# Altium PCB PCBrm.PcbDoc (part 1 of 7)
Units mm, origin at the board's own origin, x right, y up, seen from the top; angles counter-clockwise.
Board outline 220.73 x 137.67 mm, 2 copper layers (Top Layer, Bottom Layer); 138 components, 115 nets, 746 pads, 210 vias.
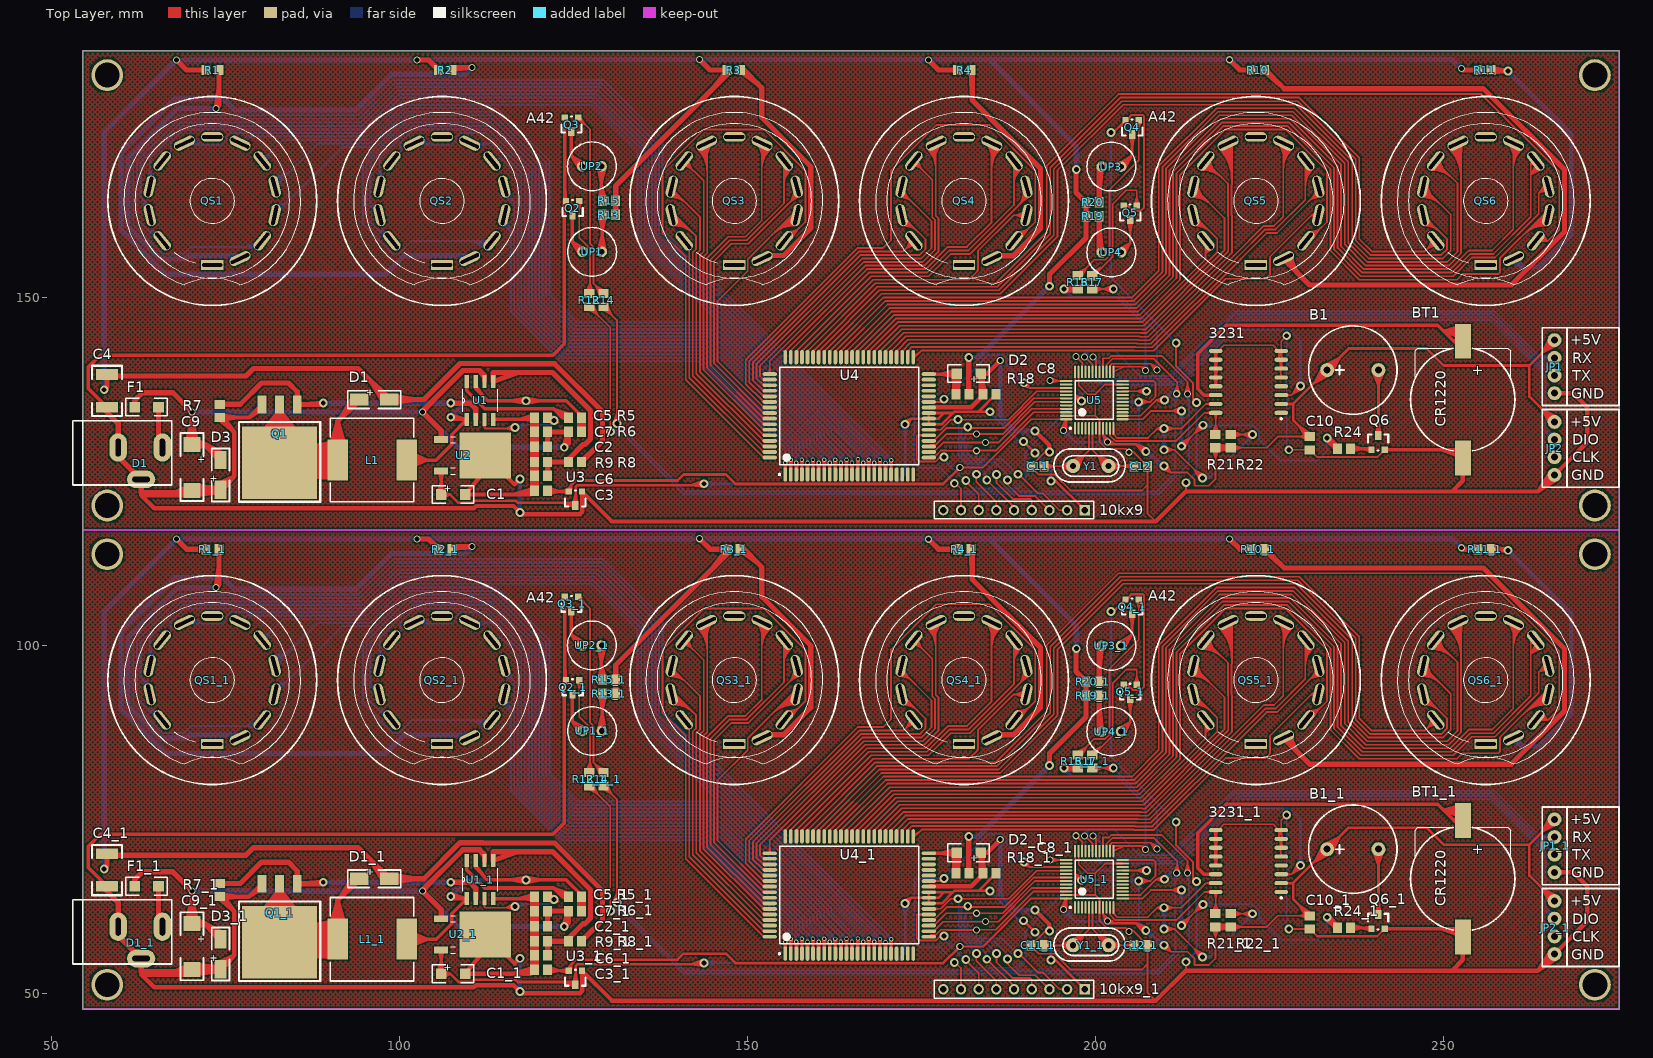
[diagram p0: Top Layer view]
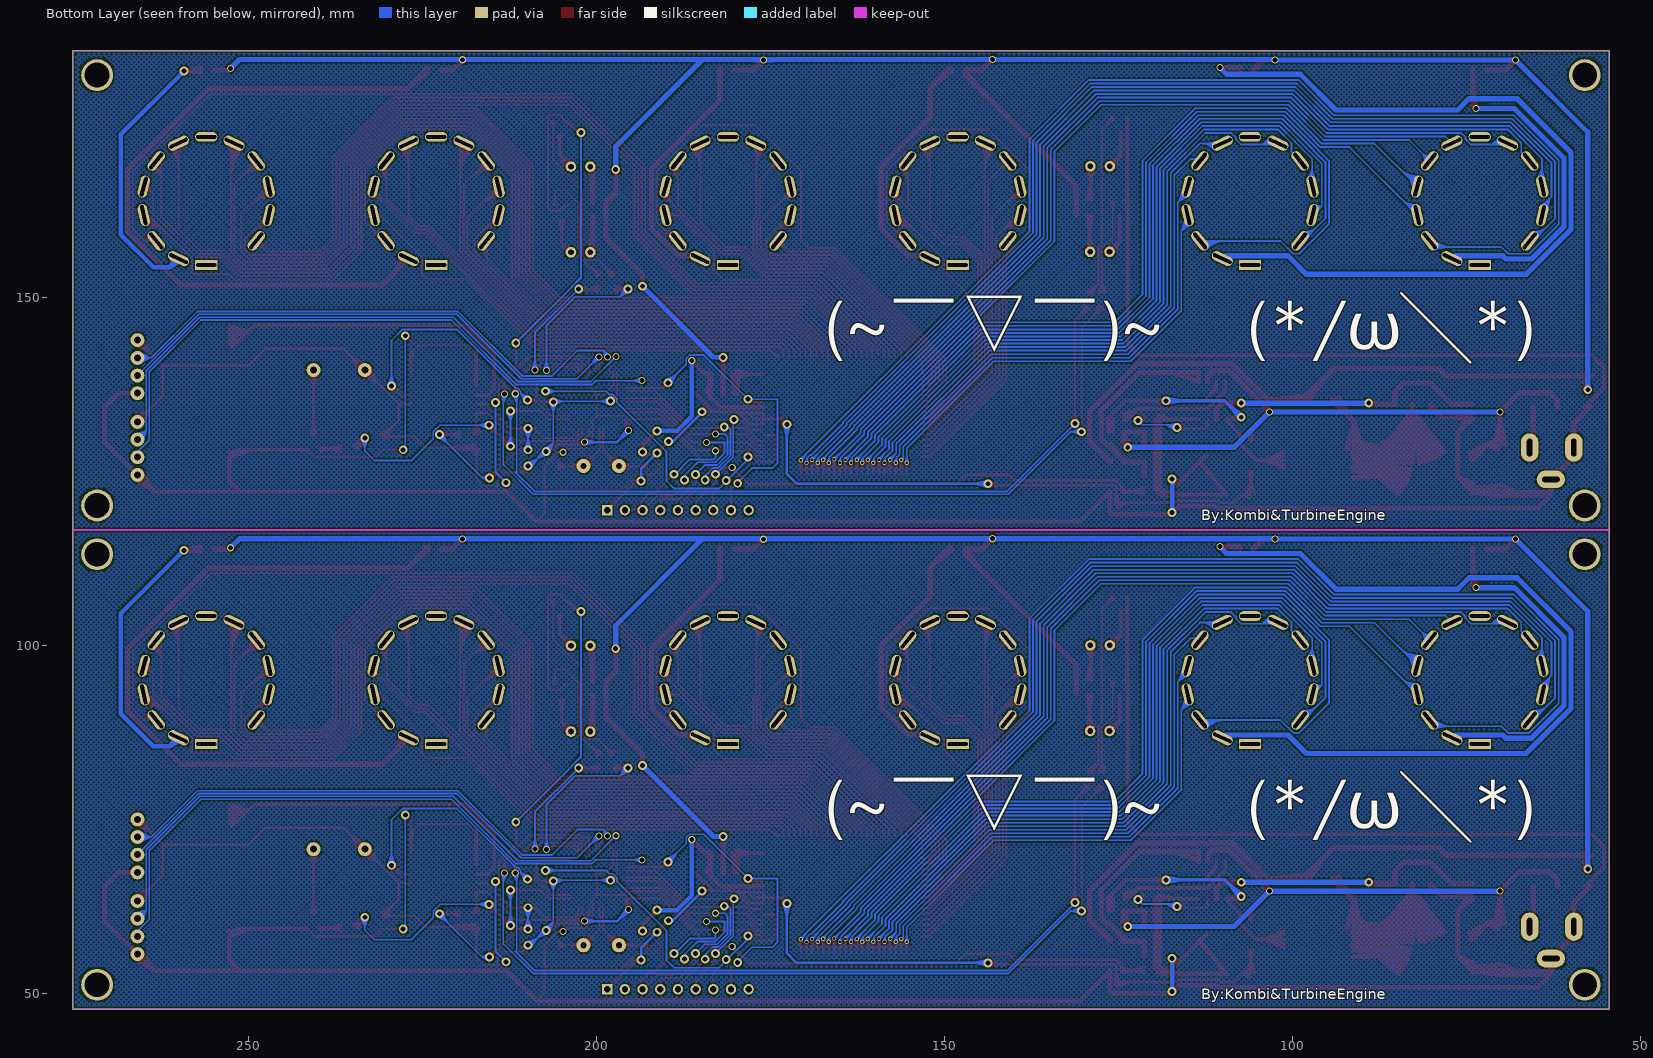
[diagram p1: Bottom Layer view, seen from below]

## Layer stack, top to bottom
Top Layer: signal copper 0.0356
Dielectric: dielectric 0.32, FR-4, Dk 4.8
Bottom Layer: signal copper 0.0356

## Board outline
54.483,185.456 54.483,47.788 275.209,47.788 275.209,185.456

## Design rules (kind name [scope] priority, off if disabled: settings)
Clearance [All] p1: gap=0.152
HoleSize [All] p1: absolutevalues=TRUE maxlimit=6.3 minlimit=0.3 maxpercent=80.000 minpercent=20.000
HoleToHoleClearance [All] p1: gap=0.152 allowstackedmicrovias=TRUE
MinimumSolderMaskSliver [All] p1: minsoldermaskwidth=0.152
PolygonConnect [All] p1: connectstyle=Relief reliefconductorwidth=0.254 reliefentries=4 polygonreliefangle="90 Angle" airgapwidth=0.254
RoutingVias [All] p1: holewidth=0.508 width=1 viastyle="Through Hole" minholewidth=0.3 minwidth=0.7 maxholewidth=6.3 maxwidth=1.7
SilkToSilkClearance [All] p1: silktosilkclearance=0.025
SolderMaskExpansion [All] p1: expansion=0.102
Width [All] p1: maxlimit=0.762 minlimit=0.152 preferedwidth=0.203
24 further rules are at their usual default settings.

## Classes and differential pairs
component class SCH: 10kx9 3231 B1 BT1 C1 C2 C3 C4 C5 C6 C7 C8 C9 C10 C11 C12 D1 D2 D3 F1 JP1 JP2 L1 Q1 Q2 Q3 Q4 Q5 Q6 QS1 QS2 QS3 QS4 QS5 QS6 R1 R2 R3 R4 R5 R6 R7 R8 R9 R10 R11 R12 R13 R14 R15 R16 R17 R18 R19 R20 R21 R22 R24 U1 U2 U3 U4 U5 UP1 UP2 UP3 UP4 Y1

## Components (designator, comment, footprint, x,y, rotation, side; value= is the part's Value field where it differs from the comment)
10kx9 "Header 9" HDR1X9 198.425,119.456 r180 top
10kx9_1 "Header 9" HDR1X9 198.425,50.622 r180 top (schematic designator 10kx9)
3231 "DS3231" SOP127P1030X267_HS-17N 221.945,137.881 r180 top
3231_1 "DS3231" SOP127P1030X267_HS-17N 221.945,69.047 r180 top (schematic designator 3231)
B1 "BEEP" BEEP 233.121,139.583 r0 top
B1_1 "BEEP" BEEP 233.121,70.749 r0 top (schematic designator B1)
BT1 "CR1220" cr1220 252.73,135.341 r90 top
BT1_1 "CR1220" cr1220 252.73,66.507 r90 top (schematic designator BT1)
C1 "Cap Pol1" 1206_Diode 105.969,121.702 r0 top
C1_1 "Cap Pol1" 1206_Diode 105.969,52.868 r0 top (schematic designator C1)
C2 "Cap" 0805 120.294,128.534 r0 top
C2_1 "Cap" 0805 120.294,59.7 r0 top (schematic designator C2)
C3 "Cap" 0805 120.32,122.235 r0 top
C3_1 "Cap" 0805 120.32,53.401 r0 top (schematic designator C3)
C4 "Cap Pol3" 1812 57.963,138.938 r270 top
C4_1 "Cap Pol3" 1812 57.963,70.104 r270 top (schematic designator C4)
C5 "Cap" 0805 120.31,132.751 r0 top
C5_1 "Cap" 0805 120.31,63.917 r0 top (schematic designator C5)
C6 "Cap" 0805 120.32,124.369 r0 top
C6_1 "Cap" 0805 120.32,55.535 r0 top (schematic designator C6)
C7 "Cap" 0805 120.31,130.693 r0 top
C7_1 "Cap" 0805 120.31,61.859 r0 top (schematic designator C7)
C8 "Cap" 0805 184.734,136.129 r0 top
C8_1 "Cap" 0805 184.734,67.295 r0 top (schematic designator C8)
C9 "Cap Pol1" 7343 70.18,128.89 r270 top
C9_1 "Cap Pol1" 7343 70.18,60.056 r270 top (schematic designator C9)
C10 "Cap" 0805 230.759,129.068 r90 top
C10_1 "Cap" 0805 230.759,60.234 r90 top (schematic designator C10)
C11 "Cap" 0805 191.643,125.766 r0 top
C11_1 "Cap" 0805 191.643,56.932 r0 top (schematic designator C11)
C12 "Cap" 0805 206.477,125.791 r180 top
C12_1 "Cap" 0805 206.477,56.957 r180 top (schematic designator C12)
D1 "DC座" DC座 62.357,125.654 r0 top
D1 "FR107" DO-214AC 94.183,135.341 r0 top
D1_1 "FR107" DO-214AC 94.183,66.507 r0 top (schematic designator D1)
D1_1 "DC座" DC座 62.357,56.82 r0 top (schematic designator D1)
D2 "75V/0.5W" 1206_Diode 183.464,139.075 r180 top
D2_1 "75V/0.5W" 1206_Diode 183.464,70.241 r180 top (schematic designator D2)
D3 "1N4007" DO-214AC 74.27,122.362 r90 top
D3_1 "1N4007" DO-214AC 74.27,53.528 r90 top (schematic designator D3)
F1 "1A" 1206 65.354,134.264 r180 top
F1_1 "1A" 1206 65.354,65.43 r180 top (schematic designator F1)
JP1 "Header4" HEADER4 265.913,143.876 r270 top
JP1_1 "Header4" HEADER4 265.913,75.042 r270 top (schematic designator JP1)
JP2 "Header4" HEADER4 265.913,132.141 r270 top
JP2_1 "Header4" HEADER4 265.913,63.307 r270 top (schematic designator JP2)
L1 "330uH" 330uH 91.11,126.655 r0 top
L1_1 "330uH" 330uH 91.11,57.821 r0 top (schematic designator L1)
Q1 "IRF630" TO-263 85.293,134.63 r180 top
Q1_1 "IRF630" TO-263 85.293,65.796 r180 top (schematic designator Q1)
Q2 "A42" SOT-23-BJT 124.841,162.85 r180 top
Q2_1 "A42" SOT-23-BJT 124.841,94.016 r180 top (schematic designator Q2)
Q3 "A42" SOT-23-BJT 124.689,174.838 r180 top
Q3_1 "A42" SOT-23-BJT 124.689,106.004 r180 top (schematic designator Q3)
Q4 "A42" SOT-23-BJT 205.232,174.432 r180 top
Q4_1 "A42" SOT-23-BJT 205.232,105.598 r180 top (schematic designator Q4)
Q5 "A42" SOT-23-BJT 204.953,162.215 r180 top
Q5_1 "A42" SOT-23-BJT 204.953,93.381 r180 top (schematic designator Q5)
Q6 "9014" SOT-23-BJT 240.563,129.169 r0 top
Q6_1 "9014" SOT-23-BJT 240.563,60.335 r0 top (schematic designator Q6)
QS1 "QS30-1" QS30-1 73.076,163.881 r0 top
QS1_1 "QS30-1" QS30-1 73.076,95.047 r0 top (schematic designator QS1)
QS2 "QS30-1" QS30-1 106.076,163.881 r0 top
QS2_1 "QS30-1" QS30-1 106.076,95.047 r0 top (schematic designator QS2)
QS3 "QS30-1" QS30-1 148.076,163.881 r0 top
QS3_1 "QS30-1" QS30-1 148.076,95.047 r0 top (schematic designator QS3)
QS4 "QS30-1" QS30-1 181.077,163.881 r0 top
QS4_1 "QS30-1" QS30-1 181.077,95.047 r0 top (schematic designator QS4)
QS5 "QS30-1" QS30-1 223.006,163.881 r0 top
QS5_1 "QS30-1" QS30-1 223.006,95.047 r0 top (schematic designator QS5)
QS6 "QS30-1" QS30-1 256.026,163.881 r0 top
QS6_1 "QS30-1" QS30-1 256.026,95.047 r0 top (schematic designator QS6)
R1 "Res2" 0805 73.101,182.687 r180 top
R1_1 "Res2" 0805 73.101,113.853 r180 top (schematic designator R1)
R2 "Res2" 0805 106.553,182.687 r180 top
R2_1 "Res2" 0805 106.553,113.853 r180 top (schematic designator R2)
R3 "Res2" 0805 147.98,182.687 r180 top
R3_1 "Res2" 0805 147.98,113.853 r180 top (schematic designator R3)
R4 "Res2" 0805 181.127,182.687 r180 top
R4_1 "Res2" 0805 181.127,113.853 r180 top (schematic designator R4)
R5 "Res2" 0805 125.186,132.751 r180 top
R5_1 "Res2" 0805 125.186,63.917 r180 top (schematic designator R5)
R6 "Res2" 0805 125.186,130.693 r180 top
R6_1 "Res2" 0805 125.186,61.859 r180 top (schematic designator R6)
R7 "Res2" 0805 74.143,133.716 r90 top
R7_1 "Res2" 0805 74.143,64.882 r90 top (schematic designator R7)
R8 "Res2" 0805 125.186,126.375 r180 top
R8_1 "Res2" 0805 125.186,57.541 r180 top (schematic designator R8)
R9 "Res2" 0805 120.31,126.375 r0 top
R9_1 "Res2" 0805 120.31,57.541 r0 top (schematic designator R9)
R10 "Res2" 0805 223.266,182.687 r180 top
R10_1 "Res2" 0805 223.266,113.853 r180 top (schematic designator R10)
R11 "Res2" 0805 255.854,182.687 r180 top
R11_1 "Res2" 0805 255.854,113.853 r180 top (schematic designator R11)
R12 "Res2" 0805 127.254,149.642 r90 top
R12_1 "Res2" 0805 127.254,80.808 r90 top (schematic designator R12)
R13 "Res2" 0805 130.073,161.884 r180 top
R13_1 "Res2" 0805 130.073,93.05 r180 top (schematic designator R13)
R14 "Res2" 0805 129.286,149.642 r90 top
R14_1 "Res2" 0805 129.286,80.808 r90 top (schematic designator R14)
R15 "Res2" 0805 130.073,163.916 r180 top
R15_1 "Res2" 0805 130.073,95.082 r180 top (schematic designator R15)
R16 "Res2" 0805 197.409,152.197 r90 top
R16_1 "Res2" 0805 197.409,83.363 r90 top (schematic designator R16)
R17 "Res2" 0805 199.492,152.182 r90 top
R17_1 "Res2" 0805 199.492,83.348 r90 top (schematic designator R17)
R18 "Res2" 0805 180.848,136.129 r0 top
R18_1 "Res2" 0805 180.848,67.295 r0 top (schematic designator R18)
R19 "Res2" 0805 199.542,161.656 r0 top
R19_1 "Res2" 0805 199.542,92.822 r0 top (schematic designator R19)
R20 "Res2" 0805 199.542,163.662 r0 top
R20_1 "Res2" 0805 199.542,94.828 r0 top (schematic designator R20)
R21 "Res2" 0805 217.195,129.372 r270 top
R21_1 "Res2" 0805 217.195,60.538 r270 top (schematic designator R21)
R22 "Res2" 0805 219.405,129.372 r270 top
R22_1 "Res2" 0805 219.405,60.538 r270 top (schematic designator R22)
R24 "Res2" 0805 235.661,128.306 r0 top
R24_1 "Res2" 0805 235.661,59.472 r0 top (schematic designator R24)
U1 "MC34063ADR" SO-8-M 111.557,135.214 r90 top
U1_1 "MC34063ADR" SO-8-M 111.557,66.38 r90 top (schematic designator U1)
U2 "L78M05CDT" DPAK-M 112.116,127.34 r270 top
U2_1 "L78M05CDT" DPAK-M 112.116,58.506 r270 top (schematic designator U2)
U3 "XC6206" SOT-23 125.171,120.101 r180 top
U3_1 "XC6206" SOT-23 125.171,51.267 r180 top (schematic designator U3)
U4 "HV57708PG" PQFP80 164.592,133.005 r90 top
U4_1 "HV57708PG" PQFP80 164.592,64.171 r90 top (schematic designator U4)
U5 "STM32F103C8T6" LQFP48_N 199.796,135.265 r90 top
U5_1 "STM32F103C8T6" LQFP48_N 199.796,66.431 r90 top (schematic designator U5)
UP1 "Neon" Neon 129.565,156.566 r0 top
UP1_1 "Neon" Neon 129.565,87.732 r0 top (schematic designator UP1)
UP2 "Neon" Neon 129.515,168.859 r0 top
UP2_1 "Neon" Neon 129.515,100.025 r0 top (schematic designator UP2)
UP3 "Neon" Neon 200.33,168.808 r180 top
UP3_1 "Neon" Neon 200.33,99.974 r180 top (schematic designator UP3)
UP4 "Neon" Neon 200.33,156.489 r180 top
UP4_1 "Neon" Neon 200.33,87.655 r180 top (schematic designator UP4)
Y1 "晶振" 晶振 199.288,125.791 r0 top
Y1_1 "晶振" 晶振 199.288,56.957 r0 top (schematic designator Y1)

## Footprints (in the part's own frame and the unit in brackets; to place one, negate y for a bottom-side part, rotate by r counter-clockwise, add the part's x,y. Pads: shape width x height; smd on the part's side, far side on the other; paste and mask are expansions set on the pad)
330uH [mm]
  rect 2.9x5.9 smd: 1(0,0) 2(9.9,0)
  silkscreen extent -1.08,-6 10.92,6
0805 [mm]
  rect 1.3x1.5 smd: 1(-0.95,0) 2(0.95,0)
1206 [mil]
  rect 60x60 smd: 1(0,0) 2(135,0)
  silkscreen extent -50,-50 185,50
1206_Diode [mil]
  rect 60x60 smd: 1(0,0) 2(135,0)
  silkscreen extent -50,-50 185,50
1812 [mil]
  rect 60x125 smd: 1(0,0) 2(185,0)
  silkscreen extent -50,-85 235,85
7343 [mm]
  rect 2.16x2.41 smd: 1(0,0) 2(6.61,0)
  silkscreen extent -1.65,-1.65 8.13,1.65
BEEP [mm]
  round 2 hole 1: 1(0.127,0) 2(7.493,0)
  silkscreen extent -2.54,-6.35 10.16,6.35
cr1220 [mm]
  rect 5x2.3 smd: +(8.382,0) -(-8.382,0)
  silkscreen extent -7.37,-7.49 7.37,7.49
DC座 [mil]
  oval 100x160 hole 30 slot 100 at 90 deg unplated: 1(140,110)
  oval 160x100 hole 30 slot 100 at 0 deg: 2(20,-70)
  oval 100x160 hole 30 slot 100 at 90 deg: 3(-110,110)
  silkscreen extent -367,-101 193,262
DO-214AC [mm]
  rect 2.65x1.75 smd: 1(4.3,0) 3(0,0)
  silkscreen extent -1.65,-1.27 5.97,1.27
DPAK-M [mil]
  rect 39x79 smd: 1(-88.58,-242.5) 2(88.58,-242.5)
  rect 260x292 smd: 3(0,8)
  silkscreen extent -106,-189 106,-162
HDR1X9 [mm] "Connector; Header; 9 Position"
  rect 1.5x1.5 hole 0.9: 1(0,0)
  round 1.5 hole 0.9: 2(2.54,0) 3(5.08,0) 4(7.62,0) 5(10.16,0) 6(12.7,0) 7(15.24,0) 8(17.78,0) 9(20.32,0)
  silkscreen extent -1.27,-1.27 21.59,1.27
HEADER4 [mm]
  round 2 hole 1: 1(0,0) 2(2.54,0) 3(5.08,0) 4(7.62,0)
  silkscreen extent -1.78,-1.78 9.4,9.27
LQFP48_N [mm] "Thin QFP, 48-Leads, Body 7x7mm, Pitch 0.5mm, IPC Medium Density"
  oval 1.8x0.3 smd: 1(-4.05,2.75) 2(-4.05,2.25) 3(-4.05,1.75) 4(-4.05,1.25) 5(-4.05,0.75) 6(-4.05,0.25) 7(-4.05,-0.25) 8(-4.05,-0.75) 9(-4.05,-1.25) 10(-4.05,-1.75) 11(-4.05,-2.25) 12(-4.05,-2.75) 25(4.05,-2.75) 26(4.05,-2.25) 27(4.05,-1.75) 28(4.05,-1.25) 29(4.05,-0.75) 30(4.05,-0.25) 31(4.05,0.25) 32(4.05,0.75) 33(4.05,1.25) 34(4.05,1.75) 35(4.05,2.25) 36(4.05,2.75)
  oval 0.3x1.8 smd: 13(-2.75,-4.05) 14(-2.25,-4.05) 15(-1.75,-4.05) 16(-1.25,-4.05) 17(-0.75,-4.05) 18(-0.25,-4.05) 19(0.25,-4.05) 20(0.75,-4.05) 21(1.25,-4.05) 22(1.75,-4.05) 23(2.25,-4.05) 24(2.75,-4.05) 37(2.75,4.05) 38(2.25,4.05) 39(1.75,4.05) 40(1.25,4.05) 41(0.75,4.05) 42(0.25,4.05) 43(-0.25,4.05) 44(-0.75,4.05) 45(-1.25,4.05) 46(-1.75,4.05) 47(-2.25,4.05) 48(-2.75,4.05)
  silkscreen extent -4.17,-2.75 2.75,3.57, body extent -3.5,-3.5 3.5,3.5, height 1.6
Neon [mil]
  round 60 hole 31.5: 1(-20,0) 2(-130,0)
  silkscreen extent -213,-138 63,138
PQFP80 [mm] "QFP, 80-Leads, Body 14.00x20.00mm, Pitch 0.80mm, IPC Medium Density"
  oval 2.05x0.55 smd: 1(-8.425,9.2) 2(-8.425,8.4) 3(-8.425,7.6) 4(-8.425,6.8) 5(-8.425,6) 6(-8.425,5.2) 7(-8.425,4.4) 8(-8.425,3.6) 9(-8.425,2.8) 10(-8.425,2) 11(-8.425,1.2) 12(-8.425,0.4) 13(-8.425,-0.4) 14(-8.425,-1.2) 15(-8.425,-2) 16(-8.425,-2.8) 17(-8.425,-3.6) 18(-8.425,-4.4) 19(-8.425,-5.2) 20(-8.425,-6) 21(-8.425,-6.8) 22(-8.425,-7.6) 23(-8.425,-8.4) 24(-8.425,-9.2) 41(8.425,-9.2) 42(8.425,-8.4) 43(8.425,-7.6) 44(8.425,-6.8) 45(8.425,-6) 46(8.425,-5.2) 47(8.425,-4.4) 48(8.425,-3.6) 49(8.425,-2.8) 50(8.425,-2) 51(8.425,-1.2) 52(8.425,-0.4) 53(8.425,0.4) 54(8.425,1.2) 55(8.425,2) 56(8.425,2.8) 57(8.425,3.6) 58(8.425,4.4) 59(8.425,5.2) 60(8.425,6) 61(8.425,6.8) 62(8.425,7.6) 63(8.425,8.4) 64(8.425,9.2)
  oval 0.55x2.05 smd: 25(-6,-11.425) 26(-5.2,-11.425) 27(-4.4,-11.425) 28(-3.6,-11.425) 29(-2.8,-11.425) 30(-2,-11.425) 31(-1.2,-11.425) 32(-0.4,-11.425) 33(0.4,-11.425) 34(1.2,-11.425) 35(2,-11.425) 36(2.8,-11.425) 37(3.6,-11.425) 38(4.4,-11.425) 39(5.2,-11.425) 40(6,-11.425) 65(6,11.425) 66(5.2,11.425) 67(4.4,11.425) 68(3.6,11.425) 69(2.8,11.425) 70(2,11.425) 71(1.2,11.425) 72(0.4,11.425) 73(-0.4,11.425) 74(-1.2,11.425) 75(-2,11.425) 76(-2.8,11.425) 77(-3.6,11.425) 78(-4.4,11.425) 79(-5.2,11.425) 80(-6,11.425)
  silkscreen extent -8.55,-10 7,10.15, body extent -7,-10 7,10, height 3.4
QS30-1 [mm]
  rect 3.2x1.4 hole 0.5 slot 2.9 at 0 deg: 1(0,-9.2)
  oval 3.2x1.4 hole 0.5 slot 2.9 at 25.71 deg rot 25.71: 2(3.992,-8.289) 9(-3.992,8.289)
  oval 3.2x1.4 hole 0.5 slot 2.9 at 51.43 deg rot 51.43: 3(7.193,-5.736) 10(-7.193,5.736)
  oval 3.2x1.4 hole 0.5 slot 2.9 at 77.14 deg rot 77.14: 4(8.969,-2.047) 11(-8.969,2.047)
  oval 3.2x1.4 hole 0.5 slot 2.9 at 106.06 deg rot 102.86: 5(8.969,2.047)
  oval 3.2x1.4 hole 0.5 slot 2.9 at 128.57 deg rot 128.57: 6(7.193,5.736) 13(-7.193,-5.736)
  oval 3.2x1.4 hole 0.5 slot 2.9 at 154.29 deg rot 154.29: 7(3.992,8.289)
  oval 3.2x1.4 hole 0.5 slot 2.9 at 0 deg: 8(0,9.2)
  oval 3.2x1.4 hole 0.5 slot 2.9 at 102.86 deg rot 102.86: 12(-8.969,-2.047)
  silkscreen extent -15,-15 15,15
SO-8-M [mil]
  rect 73x24 smd: 1(-107.5,75) 2(-107.5,25) 3(-107.5,-25) 4(-107.5,-75) 5(107.5,-75) 6(107.5,-25) 7(107.5,25) 8(107.5,75)
  silkscreen extent -65,-98 65,98
SOP127P1030X267_HS-17N [mm] "SOP, 16-Leads, Body 10.29x7.50mm, Pitch 1.27mm, Thermal Pad 10.00.2x6.85.2mm, IPC Medium Density"
  oval 1.95x0.6 smd: 1(-4.7,4.445) 2(-4.7,3.175) 3(-4.7,1.905) 4(-4.7,0.635) 5(-4.7,-0.635) 6(-4.7,-1.905) 7(-4.7,-3.175) 8(-4.7,-4.445) 9(4.7,-4.445) 10(4.7,-3.175) 11(4.7,-1.905) 12(4.7,-0.635) 13(4.7,0.635) 14(4.7,1.905) 15(4.7,3.175) 16(4.7,4.445)
  silkscreen extent -4.83,5.17 -4.58,5.42, body extent -3.8,-5.25 3.8,5.25, height 2.67
SOT-23 [mil]
  rect 36x36 smd: 1(-40,-80) 2(35,-80)
  rect 36x50 smd: 3(-2,0)
  silkscreen extent -60,-85 55,5
SOT-23-BJT [mil]
  rect 36x36 smd: 1(-37.5,-40) 2(37.5,-40)
  rect 36x50 smd: 3(0.5,40)
  silkscreen extent -58,-45 58,45
TO-263 [mil]
  rect 50x100 smd: 1(0,0) 2(100,0) 3(200,0)
  rect 425x410 smd: 2(100,330)
  silkscreen extent -130,100 330,550
晶振 [mil]
  round 80 hole 35: 1(-100,0) 2(100,0)
  silkscreen extent -209,-90 195,97

## Part data
10kx9 10kx9_1: "Header, 9-Pin"
C1 C1_1 C9 C9_1: "Polarized Capacitor (Radial)"
C2 C2_1 C3 C3_1 C5 C5_1 C6 C6_1 C7 C7_1 C8 C8_1 C10 C10_1 C11 C11_1 C12 C12_1: "Capacitor"
C4 C4_1: "Polarized Capacitor (Surface Mount)"
D1 D1_1: library part "Diode 18TQ045", "Schottky Rectifier"
D2 D2_1: library part "Diode 10TQ040", "Schottky Rectifier"
D3 D3_1: library part Diode, "Default Diode"
F1 F1_1: library part "Fuse 1", "Fuse"
JP1 JP1_1 JP2 JP2_1: library part "4 HEADER", "4 Pin Header"
L1 L1_1: library part L
Q1 Q1_1: "N-Channel MOSFET"
Q2 Q2_1 Q3 Q3_1 Q4 Q4_1 Q5 Q5_1 Q6 Q6_1: library part 2N3904, "NPN General Purpose Amplifier"
R1 R1_1 R2 R2_1 R3 R3_1 R4 R4_1 R5 R5_1 R6 R6_1 R7 R7_1 R8 R8_1 R9 R9_1 R10 R10_1 R11 R11_1 R12 R12_1 R13 R13_1 R14 R14_1 R15 R15_1 R16 R16_1 R17 R17_1 R18 R18_1 R19 R19_1 R20 R20_1 R21 R21_1 R22 R22_1 R24 R24_1: "Resistor"
U1 U1_1: library part MC34063ACD-TR, "Imported"
U2 U2_1: "Imported"
U3 U3_1: "3-Terminal Positive Voltage Regulator"
U5 U5_1: "STM32 ARM-based 32-bit MCU with 64 Kbytes Flash, 48-pin LQFP, Industrial Temperature"

## Free pads (board coordinates)
  round 4.572 hole 3.556: 0(57.983,113.122) 0(57.983,181.956) 1(271.709,113.122) 1(271.709,181.956) 2(271.709,51.288) 2(271.709,120.122) 3(57.983,51.288) 3(57.983,120.122)

## Via types
v1: diameter 1.27, hole 0.711, Top Layer to Bottom Layer, 118 vias
v2: diameter 1.016, hole 0.711, Top Layer to Bottom Layer, 52 vias
v3: diameter 0.61, hole 0.381, Top Layer to Bottom Layer, 40 vias
